# Altium PCB MB1936.PcbDoc (part 2 of 13) (continued)
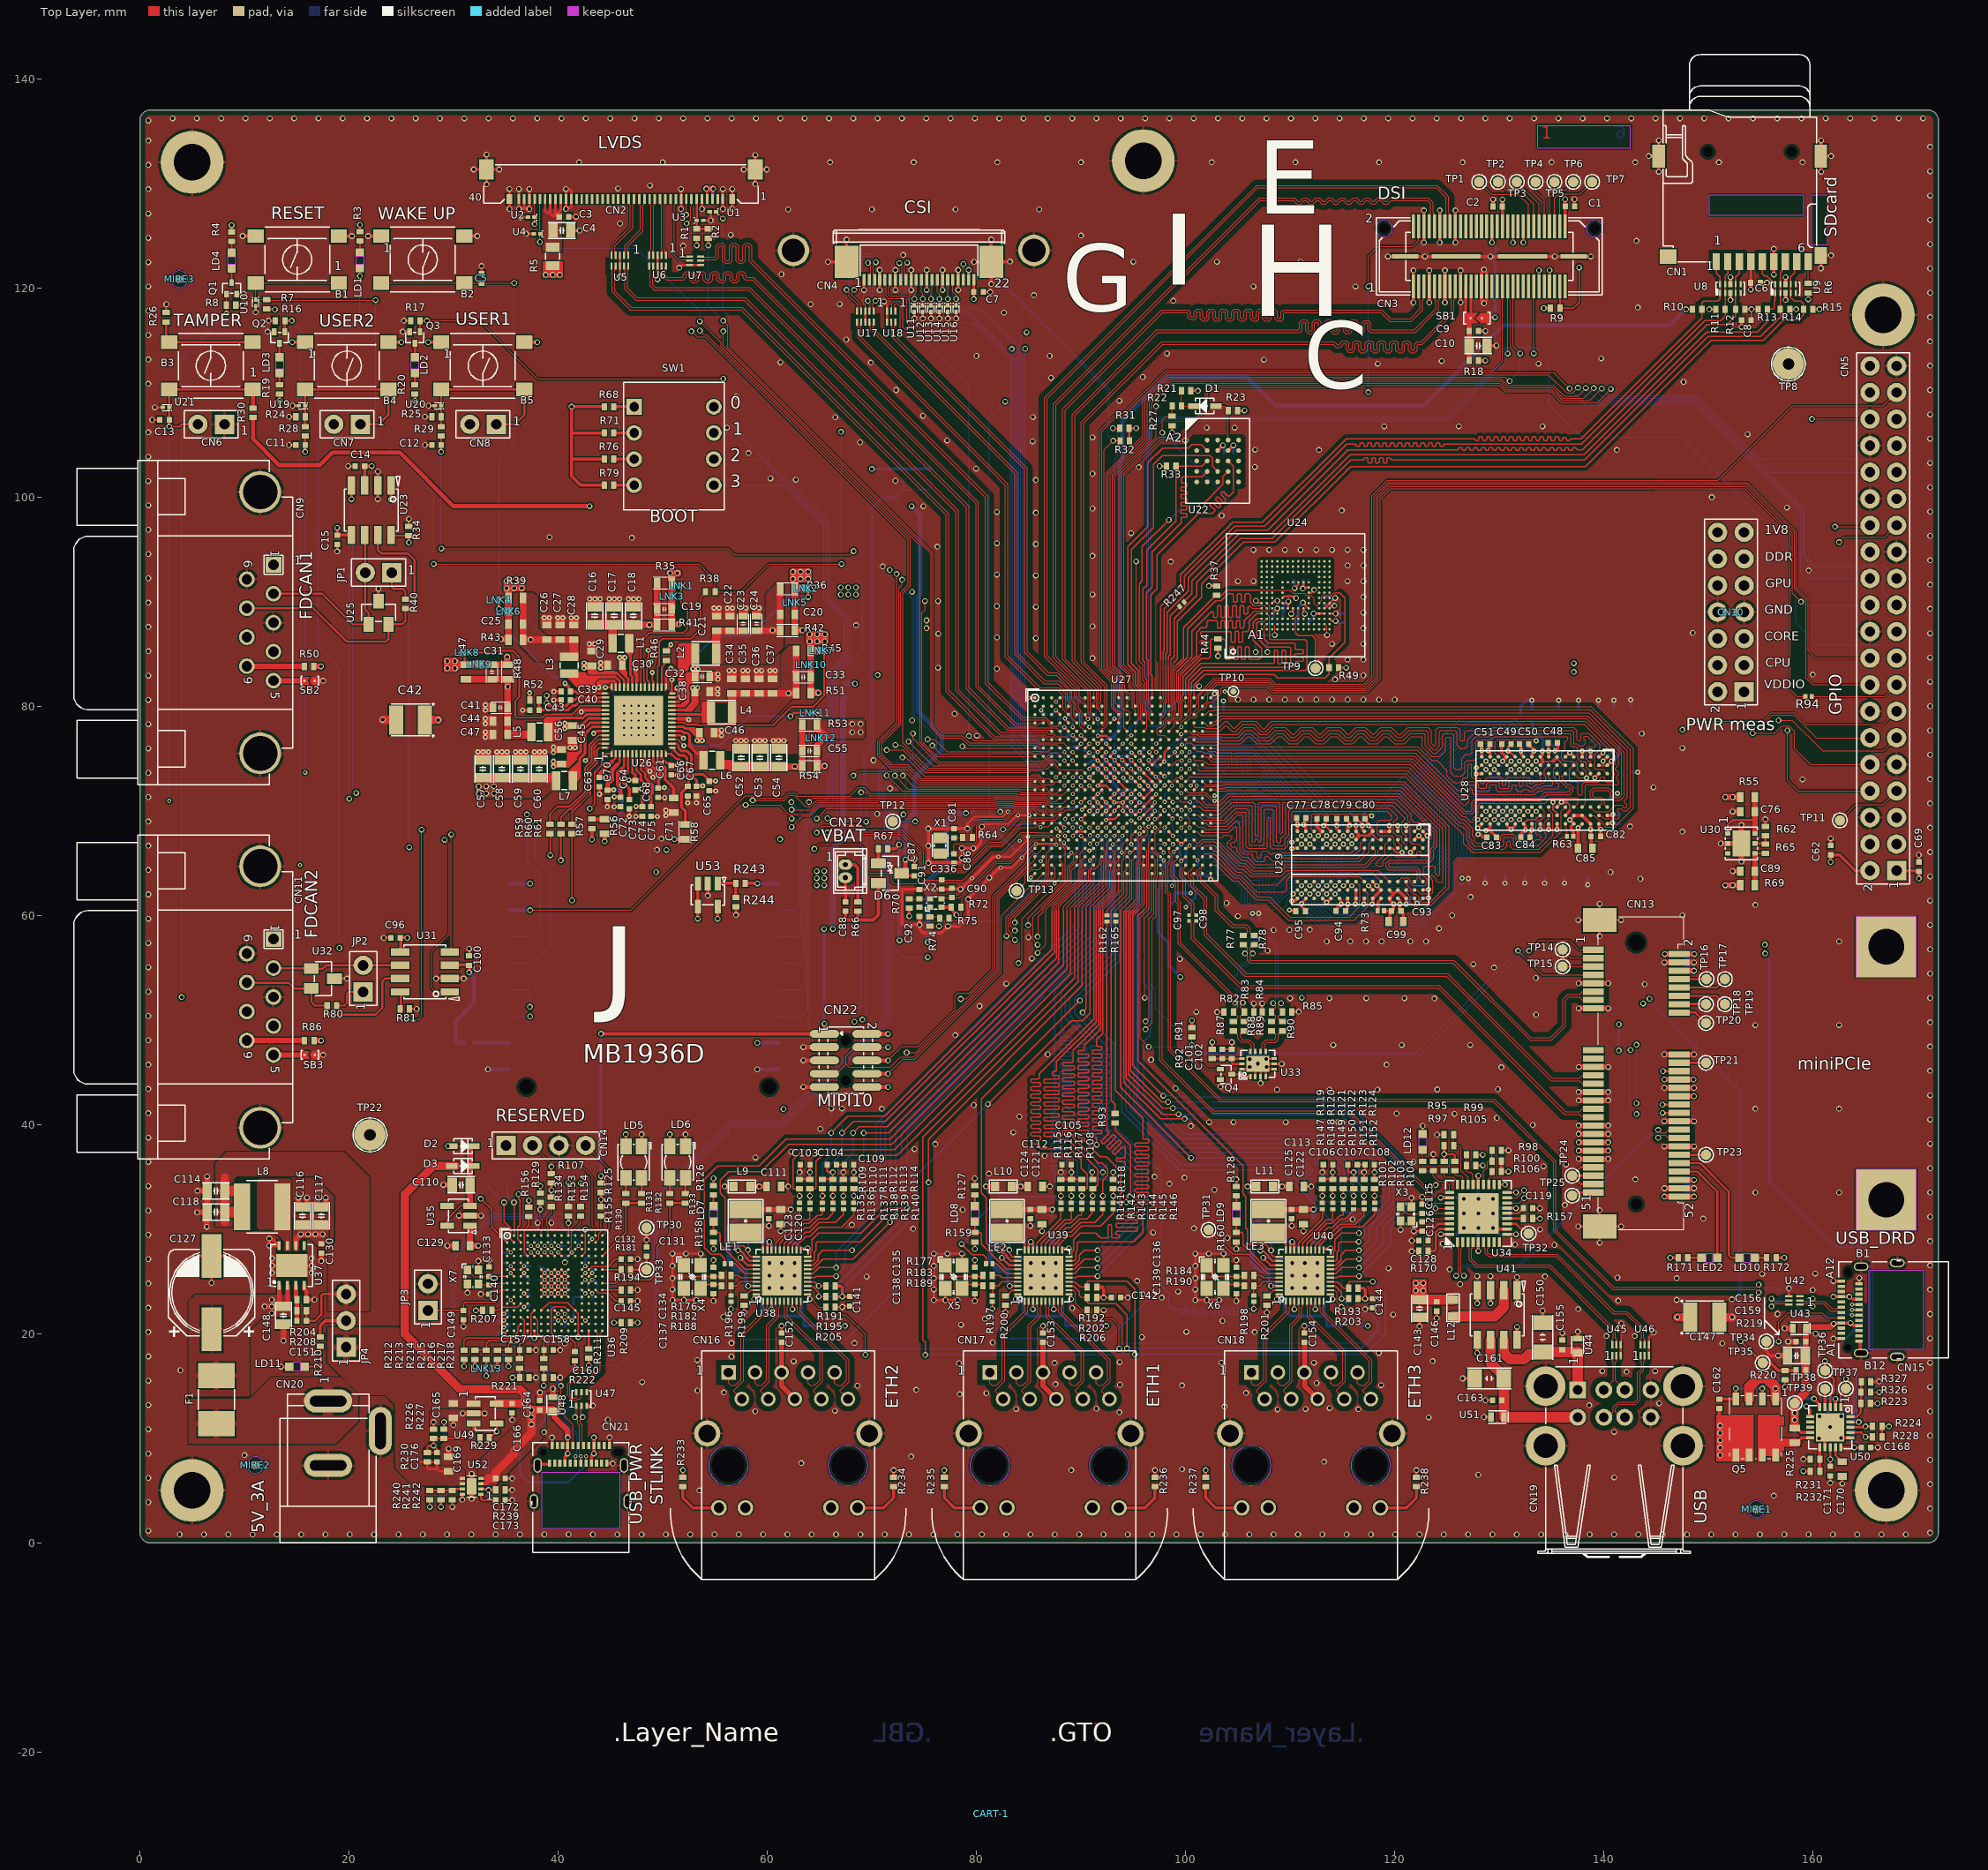
[diagram p0: Top Layer view]
## Components (designator, comment, footprint, x,y, rotation, side; value= is the part's Value field where it differs from the comment) (continued)
R200 "" R0402 82.775,23.15 r270 top value=2K49
R201 "" R0402 107.775,23.15 r270 top value=2K49
R202 "" R0402 91.045,23.45 r0 top value=1K5
R203 "" R0402 116.045,23.35 r0 top value=1K5
R204 "Resistor" R0402 15.475,23.25 r180 top value=20K
R205 "Resistor" R0402 66.045,22.55 r0 top value=10K
R206 "Resistor" R0402 91.045,22.25 r0 top value=10K
R207 "Resistor" R0402 33.225,22.225 r180 top value=33R
R208 "Resistor" R0402 15.475,22.2 r180 top value=110K
R209 "Resistor" R0402 46.475,21.05 r0 top value=33R
R210 "Resistor" R0402 17.25,19.25 r90 top value=270R
R211 "Resistor" R0402 42.925,18.105 r90 top value=0R
R212 "Resistor" R0402 31,17.975 r270 top value=0R
R213 "Resistor" R0402 32.05,17.975 r270 top value=10K
R214 "Resistor" R0402 33.125,17.975 r270 top value=10K
R215 "Resistor" R0402 34.2,17.975 r270 top value=10K
R216 "Resistor" R0402 35.25,17.975 r270 top value=5K1
R217 "Resistor" R0402 36.305,17.15 r270 top value=100K
R218 "Resistor" R0402 38.625,17.15 r270 top value=100K
R219 "Resistor" R0402 158.85,16.475 r0 top value=140K
R220 "Resistor" R0402 157.325,16.025 r90 top value=10K
R221 "Resistor" R0402 36.755,15.8 r0 top value=5K1
R222 "Resistor" R0402 39.075,15.8 r0 top value=5K1
R223 "Resistor" R0402 165.045,13.325 r0 top value=10K
R224 "Resistor" R0402 166.145,11.125 r0 top value=1K5
R225 "Resistor" R0603 158.25,10.275 r270 top value=22mR
R226 "Resistor" R0402 28.07,10.425 r90 top value=47K
R227 "Resistor" R0402 29.075,10.425 r270 top value=100K
R228 "Resistor" R0402 166.145,10.125 r0 top value=1K5
R229 "Resistor" R0402 32.975,10.05 r0 top value=100K
R230 "Resistor" R0402 27.475,8.175 r90 top value=47K
R231 "Resistor" R0402 160.2,8 r180 top value=24K
R232 "Resistor" R0402 160.2,6.845 r0 top value=100K
R233 "" R0402 51.925,5.825 r90 top value=510R
R234 "" R0402 72.075,5.825 r270 top value=510R
R235 "" R0402 76.925,5.825 r90 top value=510R
R236 "" R0402 97.075,5.825 r270 top value=510R
R237 "" R0402 101.925,5.825 r90 top value=510R
R238 "" R0402 122.075,5.825 r270 top value=510R
R239 "Resistor" R0402 34.475,5.05 r180 top value=100K
R240 "Resistor" R0402 27.72,4.55 r270 top value=1K3
R241 "Resistor" R0402 28.795,4.55 r270 top value=1K8
R242 "Resistor" R0402 29.87,4.55 r270 top value=3K9
R243 "Resistor" R0402 57.438,63.063 r180 top value=470K
R244 "Resistor" R0402 57,61.25 r90 top value=560K
R245 "Resistor" R0402 75.649,102.225 r90 bottom value=1K5
R246 "Resistor" R0402 73.109,102.225 r90 bottom value=1K5
R247 "Resistor" R0201_H0P23 99.65,89.75 r45 top value=22R
R248 "Resistor" R0402 111.225,87.95 r0 bottom value=10K
R249 "Resistor" R0603 67.45,81.45 r270 bottom value=0R
R250 "Resistor" R0402 89.875,79.85 r90 bottom value=200R
R251 "Resistor" R0402 88.825,79.85 r90 bottom value=200R
R252 "Resistor" R0402 132.025,78.85 r270 bottom value=10K
R253 "Resistor" R0402 140.9,77.625 r90 bottom value=56R
R254 "Resistor" R0402 139.95,77.625 r90 bottom value=56R
R255 "Resistor" R0402 139,77.625 r90 bottom value=56R
R256 "Resistor" R0402 138.05,77.625 r90 bottom value=56R
R257 "Resistor" R0402 137.1,77.625 r90 bottom value=56R
R258 "Resistor" R0402 136.15,77.625 r90 bottom value=56R
R259 "Resistor" R0402 135.2,77.625 r90 bottom value=56R
R260 "Resistor" R0402 97.6,77.625 r90 bottom value=1K5
R261 "Resistor" R0402 96.575,77.625 r90 bottom value=1K5
R262 "Resistor" R0201_H0P23 97.624,74.149 r0 bottom value=240R
R263 "Resistor" R0402 139.65,74.025 r0 bottom value=56R
R264 "Resistor" R0402 140.25,73.075 r0 bottom value=56R
R265 "Resistor" R0402 137.95,72.2 r0 bottom value=56R
R266 "Resistor" R0402 137.95,71.25 r0 bottom value=56R
R267 "" R0402 86.8,70.375 r180 bottom value=0R
R268 "Resistor" R0402 137.95,70.3 r0 bottom value=56R
R269 "" R0402 79.763,69.563 r270 bottom value=0R
R270 "Resistor" R0402 135.75,69.275 r90 bottom value=100R
R271 "Resistor" R0402 137.95,69.35 r0 bottom value=56R
R272 "Resistor" R0402 84.1,68.25 r270 bottom value=10K
R273 "Resistor" R0402 138,67.375 r0 bottom value=56R
R274 "Resistor" R0402 96.9,66.825 r180 bottom value=200R
R275 "Resistor" R0402 129.12,66.08 r270 bottom value=56R
R276 "Resistor" R0402 136.725,66.075 r270 bottom value=56R
R277 "Resistor" R0402 135.775,66.075 r270 bottom value=56R
R278 "Resistor" R0402 134.825,66.075 r270 bottom value=56R
R279 "Resistor" R0402 133.875,66.075 r270 bottom value=56R
R280 "Resistor" R0402 132.925,66.075 r270 bottom value=56R
R281 "Resistor" R0402 131.975,66.075 r270 bottom value=56R
R282 "Resistor" R0402 131.025,66.075 r270 bottom value=56R
R283 "Resistor" R0402 130.075,66.075 r270 bottom value=56R
R284 "Resistor" R0402 128.175,66.075 r270 bottom value=56R
R285 "Resistor" R0402 101.2,64.25 r90 bottom value=200R
R286 "" R0402 97.725,64.025 r90 bottom value=0R
R287 "Resistor" R0402 98.5,62.075 r0 bottom value=200R
R288 "Resistor" R0402 105.625,53.625 r270 bottom value=0R
R289 "" R0402 31.5,47.813 r0 bottom value=0R
R290 "Resistor" R0402 144.25,42.025 r180 bottom value=0R
R291 "Resistor" R0402 144.25,41 r180 bottom value=0R
R292 "" R0402 67.15,40.4 r270 bottom value=4K7
R293 "" R0402 66.125,40.4 r270 bottom value=4K7
R294 "" R0402 92.1,34.3 r270 bottom value=4K7
R295 "" R0402 91.125,34.3 r270 bottom value=4K7
R296 "" R0402 90.15,34.3 r270 bottom value=4K7
R297 "" R0402 118.075,34.3 r270 bottom value=4K7
R298 "" R0402 114.075,34.3 r270 bottom value=4K7
R299 "" R0402 113.075,34.3 r270 bottom value=4K7
R300 "" R0402 93.075,34.3 r270 bottom value=4K7
R301 "" R0402 89.075,34.3 r270 bottom value=4K7
R302 "" R0402 88.075,34.3 r270 bottom value=4K7
R303 "" R0402 68.275,34.3 r270 bottom value=4K7
R304 "" R0402 64.075,34.3 r270 bottom value=4K7
R305 "" R0402 63.075,34.3 r270 bottom value=4K7
R306 "" R0402 116.075,32.05 r90 bottom value=4K7
R307 "" R0402 115.075,32.05 r90 bottom value=4K7
R308 "" R0603 109.675,31.875 r0 bottom value=0R
R309 "" R0603 84.675,31.875 r0 bottom value=0R
R310 "" R0603 59.675,31.875 r0 bottom value=0R
R311 "" R0603 112.25,30.5 r90 bottom value=0R
R312 "" R0603 87.25,30.5 r90 bottom value=0R
R313 "" R0603 62.25,30.5 r90 bottom value=0R
R314 "" R0402 108.15,29.175 r90 bottom value=1K5
R315 "" R0402 107.125,29.175 r270 bottom value=4K7
R316 "" R0402 83.15,29.175 r90 bottom value=1K5
R317 "" R0402 82.125,29.175 r270 bottom value=4K7
R318 "" R0402 58.15,29.175 r90 bottom value=1K5
R319 "" R0402 57.125,29.175 r270 bottom value=4K7
R320 "" R0402 108.6,27.2 r180 bottom value=4K7
R321 "" R0402 83.6,27.2 r180 bottom value=4K7
R322 "" R0402 58.6,27.2 r180 bottom value=4K7
R323 "Resistor" R0402 129.16,24.225 r270 bottom value=10K
R324 "Resistor" R0402 127.89,24.225 r270 bottom value=10K
R325 "Resistor" R0402 159,13.925 r0 bottom value=1M
R326 "Resistor" R0402 165.05,14.4 r180 top value=0R
R327 "Resistor" R0402 165.075,15.4 r180 top value=100K
R328 "Resistor" R0402 104.575,53.625 r270 bottom value=0R
SB1 "SB_ON" SOLDER-BRIDGE_R0603-0R 127.85,117.1 r180 top
SB2 "SB_ON" SOLDER-BRIDGE_R0402-0R 16.262,82.425 r180 top
SB3 "SB_ON" SOLDER-BRIDGE_R0402-0R 16.275,46.65 r180 top
SW1 "76SB04ST" SWI_GRAYHILL-INC_76SB04ST 51.075,104.875 r270 top
TP1 "Test Point" TP_SMD_1MM 128.075,130.125 r90 top
TP2 "Test Point" TP_SMD_1MM 129.875,130.125 r90 top
TP3 "Test Point" TP_SMD_1MM 131.675,130.125 r90 top
TP4 "Test Point" TP_SMD_1MM 133.475,130.125 r90 top
TP5 "Test Point" TP_SMD_1MM 135.275,130.125 r90 top
TP6 "Test Point" TP_SMD_1MM 137.075,130.125 r90 top
TP7 "Test Point" TP_SMD_1MM 138.875,130.125 r90 top
TP8 "Test_pin_conn_black" TP_PTH-1P02MM_TEST-TERMINAL_RS_101-2391_BLACK 157.65,112.725 r90 top value=TP
TP9 "Test Point" TP_SMD_1MM 112.43,83.629 r90 top
TP10 "Test Point" TP_SMD_0-6MM 104.575,81.4 r90 top
TP11 "Test Point" TP_SMD_1MM 162.575,69.075 r90 top
TP12 "Test Point" TP_SMD_1MM 72,68.975 r90 top
TP13 "Test Point" TP_SMD_1MM 83.838,62.335 r90 top
TP14 "Test Point" TP_SMD_1MM 136.05,56.725 r90 top
TP15 "Test Point" TP_SMD_1MM 136.05,55.1 r90 top
TP16 "Test Point" TP_SMD_1MM 149.818,53.9 r90 top
TP17 "Test Point" TP_SMD_1MM 151.575,53.9 r90 top
TP18 "Test Point" TP_SMD_1MM 149.775,51.5 r90 top
TP19 "Test Point" TP_SMD_1MM 151.575,51.5 r90 top
TP20 "Test Point" TP_SMD_1MM 149.775,49.7 r90 top
TP21 "Test Point" TP_SMD_1MM 149.775,45.9 r90 top
TP22 "Test_pin_conn_black" TP_PTH-1P02MM_TEST-TERMINAL_RS_101-2391_BLACK 22,39 r90 top value=TP
TP23 "Test Point" TP_SMD_1MM 149.775,37.1 r90 top
TP24 "Test Point" TP_SMD_1MM 136.975,35.1 r90 top
TP25 "Test Point" TP_SMD_1MM 136.975,33.2 r90 top
TP26 "Test Point" TP_SMD_1MM 33.25,34.125 r90 bottom
TP27 "Test Point" TP_SMD_1MM 37,34.125 r90 bottom
TP28 "Test Point" TP_SMD_1MM 31.375,34.125 r90 bottom
TP29 "Test Point" TP_SMD_1MM 35.125,34.125 r90 bottom
TP30 "Test Point" TP_SMD_1MM 48.45,30.125 r90 top
TP31 "Test Point" TP_SMD_1MM 102.2,29.925 r270 top
TP32 "Test Point" TP_SMD_1MM 132.811,29.575 r90 top
TP33 "Test Point" TP_SMD_1MM 48.45,26.125 r270 top
TP34 "Test Point" TP_SMD_1MM 155.546,19.25 r270 top
TP35 "Test Point" TP_SMD_1MM 155.193,17.2 r90 top
TP36 "Test Point" TP_SMD_1MM 161.15,16.475 r0 top
TP37 "Test Point" TP_SMD_1MM 163.15,14.75 r0 top
TP38 "Test Point" TP_SMD_1MM 161.15,14.704 r0 top
TP39 "Test Point" TP_SMD_1MM 158.25,13.345 r270 top
U1 "ESD-TRANSIL" ESD_ST0201 54.8,127.275 r180 top value=ESDALC6V1-1U2
U2 "ESD-TRANSIL" ESD_ST0201 37.425,126.75 r180 top value=ESDALC6V1-1U2
U3 "ESD-TRANSIL" ESD_ST0201 53.563,126.45 r0 top value=ESDALC6V1-1U2
U4 "ESD-TRANSIL" ESD_ST0201 37.975,125.175 r180 top value=ESDALC6V1-1U2
U5 "ECMF4-40A100N10" ESD_UQFN-10L_2P25X1P4_P040 45.9,122.6 r180 top
U6 "ECMF4-40A100N10" ESD_UQFN-10L_2P25X1P4_P040 49.5,122.6 r180 top
U7 "ECMF2-40A100N6" ESD_UQFN-6L_1P45X1P4_P040 53.1,122.6 r270 top
U8 "HSP051-4M10" ESD_UQFN-10L_2P5X1_P050 152.1,119.93 r0 top
U9 "HSP051-4M10" ESD_UQFN-10L_2P5X1_P050 157.375,119.93 r0 top
U10 "ESD-TRANSIL" ESD_ST0201 11.073,118.563 r270 top value=ESDALC6V1-1U2
U11 "ESD-TRANSIL" ESD_ST0201 74.06,118 r270 top value=ESDALC6V1-1U2
U12 "ESD-TRANSIL" ESD_ST0201 74.86,118 r270 top value=ESDALC6V1-1U2
U13 "ESD-TRANSIL" ESD_ST0201 75.66,118 r270 top value=ESDALC6V1-1U2
U14 "ESD-TRANSIL" ESD_ST0201 76.46,118 r270 top value=ESDALC6V1-1U2
U15 "ESD-TRANSIL" ESD_ST0201 77.26,118 r270 top value=ESDALC6V1-1U2
U16 "ESD-TRANSIL" ESD_ST0201 78.06,118 r270 top value=ESDALC6V1-1U2
U17 "ECMF4-40A100N10" ESD_UQFN-10L_2P25X1P4_P040 69.375,117.25 r180 top
U18 "ECMF2-40A100N6" ESD_UQFN-6L_1P45X1P4_P040 71.85,117.25 r180 top
U19 "ESD-TRANSIL" ESD_ST0201 15.513,108.725 r180 top value=ESDALC6V1-1U2
U20 "ESD-TRANSIL" ESD_ST0201 28.513,108.725 r180 top value=ESDALC6V1-1U2
U21 "ESD-TRANSIL" ESD_ST0201 2.5,108.563 r180 top value=ESDALC6V1-1U2
U22 "MX25L51245G" ICC_BGA24_5X5-BALL-ARRAY_6X8_P1 103.066,103.441 r0 top
U23 "MCP2562FD" ICC_SO8_5X4_P127 22.129,98.736 r180 top value=MCP2562FDT-H/SN
U24 "eMMC_THGBMTG5D1LBAIL" ICC_P-WFBGA153_13X11P5_P050 110.525,90.6 r0 top locked value=THGBMTG5D1LBAIL
U25 "ESD-TRANSIL-DUAL-BIDIR" ESD_SOT23 22.819,88.921 r0 top value=ESDCAN24-2BLY
U26 "STPMIC2" ICC_QFN56-EPAD_6P5X6P5_P040 47.7,78.627 r90 top value=STPMIC25A
U27 "STM32MP257FAI3" ICC_LFBGA436_18X18_P080_H1P70_STM32MP257_CODE-B0D1 94,72.4 r0 top locked
U28 "MT40A1G16TB-062E IT:F" ICC_FBGA96_TB_7P5X13_P080 134.325,71.95 r270 top locked
U29 "MT40A1G16TB-062E IT:F" ICC_FBGA96_TB_7P5X13_P080 116.7,64.825 r270 top locked
U30 "ST1L05BPUR" ICC_DFN6-EPAD_3X3_P095 153.155,66.875 r270 top
U31 "MCP2562FD" ICC_SO8_5X4_P127 27.265,54.585 r90 top value=MCP2562FDT-H/SN
U32 "ESD-TRANSIL-DUAL-BIDIR" ESD_SOT23 17.505,53.95 r270 top value=ESDCAN24-2BLY
U33 "DSC557-0344FI0-T" ICC_QFN14-EPAD_3P2X2P5_P050 106.925,45.79 r0 top
U34 "USB2514B-AEZC" ICC_QFN36-EPAD_6X6_P050 128,31.5 r0 top
U35 "ST730M33R" ICC_SOT23-5L_H1P45 30.47,31.275 r90 top
U36 "STLINK-V3EC" ICC_UFBGA201_176+25_10X10_P065 39.675,24.825 r0 top value=STM32F723IEK6
U37 "ST1S40IPUR" ICC_VFQFPN8-EPAD_4X4_P080 14.525,26.5 r0 top
U38 "RTL8211F-CG" ICC_QFN40-EPAD_5X5_P040 61.4,25.55 r90 top
U39 "RTL8211F-CG" ICC_QFN40-EPAD_5X5_P040 86.4,25.55 r90 top
U40 "RTL8211F-CG" ICC_QFN40-EPAD_5X5_P040 111.4,25.55 r90 top
U41 "STMPS2252MTR" ICC_SO8_5X4_P127 129.795,21.775 r180 top
U42 "ECMF2-40A100N6" ESD_UQFN-6L_1P45X1P4_P040 158.225,23.175 r90 top
U43 "ESD-TRANSIL" ESD_QFN1610_2N_1K_2A 158.7,20.5 r180 top locked value=ESDA25P35-1U1M
U44 "ESD-TRANSIL" ESD_QFN1610_2N_1K_2A 137.5,18.9 r90 top value=ESDA7P120-1U1M
U45 "ECMF2-40A100N6" ESD_UQFN-6L_1P45X1P4_P040 141.2,18.425 r0 top
U46 "ECMF2-40A100N6" ESD_UQFN-6L_1P45X1P4_P040 143.9,18.425 r0 top
U47 "​" ESD_QFN-6L_1P7X1P5_P050 42.225,13.764 r0 top value=ECMF02-2AMX6
U48 "ESD-TRANSIL" ESD_QFN1610_2N_1K_2A 39.5,13.3 r90 top value=ESDA25P35-1U1M
U49 "STMPS2151STR" MOS_SOT23-5L 33.025,12.375 r270 top
U50 "TCPP03-M20" ICC_QFN20-EPAD_4X4_P050 161.65,11.05 r270 top
U51 "ESD-TRANSIL" ESD_QFN1610_2N_1K_2A 129.82,12.025 r180 top value=ESDA7P120-1U1M
U52 "TPS259535DSG" ICC_WSON8-EPAD_2X2_P050 31.725,5.4 r180 top
U53 "TSV631AILT" AOP_SOT23-5L_H1P45 54.312,61.938 r180 top
X1 "XTAL_2_PINS" CRY_NX2012SA_2P 76.525,66.65 r270 top value=32.768KHz
X2 "OSCILLATOR_4_PINS" CRY_NZ1612SH_4P 76.098,61.176 r0 top value=40MHz
X3 "XTAL_4_PINS" CRY_NX2016SA_4P 121.08,31.45 r90 top value=24MHz
X4 "XTAL_4_PINS" CRY_NX3225HA_4P 52.825,25.425 r270 top value=25MHz
X5 "XTAL_4_PINS" CRY_NX3225HA_4P 77.825,25.425 r270 top value=25MHz
X6 "XTAL_4_PINS" CRY_NX3225HA_4P 102.825,25.425 r270 top value=25MHz
X7 "XTAL_4_PINS" CRY_NX2016SA_4P 31.85,25.425 r270 top value=24MHz

## Footprints (in the part's own frame and the unit in brackets; to place one, negate y for a bottom-side part, rotate by r counter-clockwise, add the part's x,y. Pads: shape width x height; smd on the part's side, far side on the other; paste and mask are expansions set on the pad)
AOP_SOT23-5L_H1P45 [mm]
  rect 0.6x1.3 smd mask+0.05: 1(-0.95,-1.1) 2(0,-1.1) 3(0.95,-1.1) 4(0.95,1.1) 5(-0.95,1.1)
  silkscreen extent -1.75,-1.68 1.6,0.97, body extent -1.52,-1.25 1.52,1.25, height 1.45
C0201_H0P3 [mm] "MCD-00699"
  rect 0.4x0.5 smd mask+0.05: 1(-0.3,0) 2(0.3,0)
  body extent -0.32,-0.17 0.32,0.17, height 0.33
C0201_H0P5 [mm] "MCD-01534"
  rect 0.4x0.5 smd mask+0.05: 1(-0.3,0) 2(0.3,0)
  body extent -0.35,-0.2 0.35,0.2, height 0.55
C0201_MURATA_GRM033_H0P3 [mm] "GRM033R60J105ME11"
  rect 0.35x0.35 smd mask+0.05: 1(-0.275,0) 2(0.275,0)
  body extent -0.32,-0.17 0.32,0.17, height 0.33
C0402 [mm]
  rect 0.51x0.56 smd mask+0.05: 1(-0.45,0) 2(0.45,0)
  body extent -0.5,-0.3 0.5,0.3, height 0.4
C0603 [mm]
  rect 0.64x0.89 smd mask+0.05: 1(-0.7,0) 2(0.7,0)
  silkscreen extent -0.9,-0.55 1.05,0.55, body extent -0.9,-0.5 0.9,0.5, height 1.4
C0805 [mm]
  rect 0.9x1.4 smd mask+0.05: 1(-0.85,0) 2(0.85,0)
  silkscreen extent -1.3,-0.77 1.3,0.77, body extent -1.1,-0.7 1.1,0.7, height 1.35
C0805_H0P85 [mm] "MCD-01525"
  rect 0.9x1.4 smd mask+0.05: 1(-0.85,0) 2(0.85,0)
  silkscreen extent -1.3,-0.77 1.3,0.77, body extent -1.1,-0.73 1.1,0.73, height 0.95
C1206_H1P6 [mm]
  rect 1.4x1.78 smd mask+0.05: 1(-1.4,0) 2(1.4,0)
  silkscreen extent -2.12,-0.97 2.15,0.97, body extent -1.7,-0.9 1.7,0.9, height 1.8
CON_DB9-MALE_TYCO_2301843-2 [mm] "MCD-00127"
  rect 1.5x1.5 / inner round 1.5 / far side rect 1.5x1.5 hole 1 mask+0.05: 1(-5.54,8.77)
  round 1.5 hole 1 mask+0.05: 2(-2.77,8.77) 3(0,8.77) 4(2.77,8.77) 5(5.54,8.77) 6(-4.155,6.23) 7(-1.385,6.23) 8(1.385,6.23) 9(4.155,6.23)
  round 4 hole 3.3 mask+0.05: MT1(-12.5,7.5) MT2(12.5,7.5)
  silkscreen extent -15.5,-10.3 15.5,10.6, body extent -15.5,-10.3 15.5,10.6, height 13.8
CON_DC-POWER-SOCKET_CLIFF_FC68149_DC10B [mm]
  oval 2.2x4.6 hole 1 slot 3.5 at 90 deg mask+0.05: 1(-13.55,0) 3(-7.4,0)
  oval 4.6x2.2 hole 1 slot 3.5 at 0 deg mask+0.05: 2(-10.7,5)
  silkscreen extent -14.2,-4.6 0,4.6, body extent -14.3,-4.6 0.2,5.27, height 11
CON_DUAL-USB-TYPE-A_CONEXCON_5600-3081 [mm]
  round 1.6 hole 0.92: B1(-3.5,13.01) B2(-1,13.01) B3(1,13.01) B4(3.5,13.01) T2(-1,15.63) T3(1,15.63) T4(3.5,15.63)
  round 3.8 hole 2.33: CH1(6.57,10.3) CH2(-6.57,10.3) CH3(-6.57,15.98) CH4(6.57,15.98)
  rect 1.6x1.6 hole 0.92: T1(-3.5,15.63)
  silkscreen extent -7.3,-0.4 7.3,17.85, body extent -7.83,-0.6 7.87,17.85, height 16.2
CON_I-PEX_20455-040E-76 [mm] "MCD-03562"
  rect 0.25x0.9 smd mask+0.05: 1(-9.75,0.5) 2(-9.25,0.5) 3(-8.75,0.5) 4(-8.25,0.5) 5(-7.75,0.5) 6(-7.25,0.5) 7(-6.75,0.5) 8(-6.25,0.5) 9(-5.75,0.5) 10(-5.25,0.5) 11(-4.75,0.5) 12(-4.25,0.5) 13(-3.75,0.5) 14(-3.25,0.5) 15(-2.75,0.5) 16(-2.25,0.5) 17(-1.75,0.5) 18(-1.25,0.5) 19(-0.75,0.5) 20(-0.25,0.5) 21(0.25,0.5) 22(0.75,0.5) 23(1.25,0.5) 24(1.75,0.5) 25(2.25,0.5) 26(2.75,0.5) 27(3.25,0.5) 28(3.75,0.5) 29(4.25,0.5) 30(4.75,0.5) 31(5.25,0.5) 32(5.75,0.5) 33(6.25,0.5) 34(6.75,0.5) 35(7.25,0.5) 36(7.75,0.5) 37(8.25,0.5) 38(8.75,0.5) 39(9.25,0.5) 40(9.75,0.5)
  rect 1.4x1.9 smd mask+0.05: 41(-12.85,-2.32) 44(12.85,-2.32)
  rect 0.55x0.9 smd mask+0.05: 42(-10.65,0.5) 43(10.65,0.5)
  silkscreen extent -13.13,-2.78 13.13,0.92, body extent -13.13,-3.05 13.12,0.9, height 1.03
CON_MICROSD_ATOM_MR01A-01211 [mm]
  rect 0.7x1.6 smd paste+0 mask+0.05: 1(2.25,14.5) 2(1.15,14.5) 3(0.05,14.5) 4(-1.05,14.5) 5(-2.15,14.5) 6(-3.25,14.5) 7(-4.35,14.5) 8(-5.45,14.5) 9(-6.55,14.5)
  rect 1.2x1.6 smd paste+0 mask+0.05: 10(-7.75,13.9)
  rect 1.2x2.2 smd paste+0 mask+0.05: 11(-7.75,4.4) 12(7.75,4.4)
  rect 1.6x1.4 smd paste+0 mask+0.05: 13(6.85,14)
  round 0.5 hole 1 unplated paste-2539.97 mask+0.05: NPTH1(-4.95,4) NPTH2(3.05,4)
  Top Layer pour cut-out: -8.35,8.1 -8.35,12.9 -6.9,12.9 -6.9,8.1
  Top Layer pour cut-out: -6.1,10.1 2.9,10.1 2.9,8.1 -6.1,8.1
  Top Layer keep-out region: -8.35,8.1 -8.35,12.9 -6.9,12.9 -6.9,8.1
  Top Layer keep-out region: -6.1,10.1 2.9,10.1 2.9,8.1 -6.1,8.1
  silkscreen extent -7.35,-5.3 7.35,14.5, body extent -8.05,0 8.05,15, height 1.9
CON_MOLEX_53047-0210 [mm]
  oval 1x1.3 hole 0.5 mask+0.05: 1(-0.625,0) 2(0.625,0)
  silkscreen extent -2.12,-1.15 2.13,2.05, body extent -2.13,-1.15 2.13,2.05, height 4.2
CON_RJ45_YD_48F-01GYDXNL_LED-P [mm]
  rect 1.4x1.4 hole 0.9 mask+0.05: 1(-5.715,16.29)
  round 1.4 hole 0.9 mask+0.05: 2(-4.445,13.75) 3(-3.175,16.29) 4(-1.905,13.75) 5(-0.635,16.29) 6(0.635,13.75) 7(1.905,16.29) 8(3.175,13.75) 9(4.445,16.29) 10(5.715,13.75)
  round 1.5 hole 1 mask+0.05: 11(-6.63,3.34) 12(-4.09,3.34) 13(4.09,3.34) 14(6.63,3.34)
  round 2.5 hole 1.7 mask+0.05: 15(7.75,10.45) 16(-7.75,10.45)
  round 1 hole 3.2 unplated mask+0.1: 17(-5.715,7.4) 18(5.715,7.4)
  Multi-Layer keep-out circle w0.01: c5.715,7.4 r1.9
  Multi-Layer keep-out circle w0.01: c-5.715,7.4 r1.9
  silkscreen extent -11.26,-3.5 11.26,18.34, body extent -11.4,-3.5 11.39,18.34, height 17
CON_SAMTEC_FTSH-105-01-L-DV-K [mm]
  oval 0.74x2.79 smd mask+0.05: 1(-2.54,-2.035) 2(-2.54,2.035) 3(-1.27,-2.035) 4(-1.27,2.035) 5(0,-2.035) 6(0,2.035) 7(1.27,-2.035) 8(1.27,2.035) 9(2.54,-2.035) 10(2.54,2.035)
  round 0 hole 1 unplated paste-2539.97 mask+0.05: NPTH1(-1.905,0) NPTH2(1.905,0)
  silkscreen extent -3.18,-2.54 3.18,2.54, body extent -3.18,-2.92 3.18,2.92, height 6.12
CON_SAMTEC_QSH-030-01-F-D-A [mm]
  rect 0.3x2.27 smd mask+0.05: 1(7.25,2.87) 2(7.25,-2.87) 3(6.75,2.87) 4(6.75,-2.87) 5(6.25,2.87) 6(6.25,-2.87) 7(5.75,2.87) 8(5.75,-2.87) 9(5.25,2.87) 10(5.25,-2.87) 11(4.75,2.87) 12(4.75,-2.87) 13(4.25,2.87) 14(4.25,-2.87) 15(3.75,2.87) 16(3.75,-2.87) 17(3.25,2.87) 18(3.25,-2.87) 19(2.75,2.87) 20(2.75,-2.87) 21(2.25,2.87) 22(2.25,-2.87) 23(1.75,2.87) 24(1.75,-2.87) 25(1.25,2.87) 26(1.25,-2.87) 27(0.75,2.87) 28(0.75,-2.87) 29(0.25,2.87) 30(0.25,-2.87) 31(-0.25,2.87) 32(-0.25,-2.87) 33(-0.75,2.87) 34(-0.75,-2.87) 35(-1.25,2.87) 36(-1.25,-2.87) 37(-1.75,2.87) 38(-1.75,-2.87) 39(-2.25,2.87) 40(-2.25,-2.87) 41(-2.75,2.87) 42(-2.75,-2.87) 43(-3.25,2.87) 44(-3.25,-2.87) 45(-3.75,2.87) 46(-3.75,-2.87) 47(-4.25,2.87) 48(-4.25,-2.87) 49(-4.75,2.87) 50(-4.75,-2.87) 51(-5.25,2.87) 52(-5.25,-2.87) 53(-5.75,2.87) 54(-5.75,-2.87) 55(-6.25,2.87) 56(-6.25,-2.87) 57(-6.75,2.87) 58(-6.75,-2.87) 59(-7.25,2.87) 60(-7.25,-2.87)
  rect 2.54x0.43 smd mask+0.05: 61(8.063,0) 64(-8.063,0)
  rect 4.7x0.43 smd mask+0.05: 62(3.175,0) 63(-3.175,0)
  round 0.5 hole 1.05 unplated mask+0.1: 65(-10.065,-2.67) 66(10.065,-2.67)
  Multi-Layer keep-out circle w0.01: c10.065,-2.67 r0.801
  Multi-Layer keep-out circle w0.01: c-10.065,-2.67 r0.801
  silkscreen extent -10.8,-3.7 10.8,3.7, body extent -10.8,-3.75 10.8,3.75, height 3.26
CON_SAMTEC_TSW-102-07-G-S [mm]
  rect 1.85x1.85 / inner round 1.85 / far side rect 1.85x1.85 hole 1 mask+0.05: 1(-1.27,0)
  round 1.85 hole 1 mask+0.05: 2(1.27,0)
  silkscreen extent -2.58,-1.3 2.58,1.3, body extent -2.67,-1.3 2.58,1.3, height 8.38
CON_SAMTEC_TSW-103-07-F-S [mm]
  rect 1.85x1.85 / inner round 1.85 / far side rect 1.85x1.85 hole 1 mask+0.05: 1(-2.54,0)
  round 1.85 hole 1 mask+0.05: 2(0,0) 3(2.54,0)
  silkscreen extent -3.85,-1.3 3.85,1.3, body extent -3.94,-1.37 3.91,1.37, height 8.38
CON_SAMTEC_TSW-104-07-G-S [mm]
  rect 1.85x1.85 / inner round 1.85 / far side rect 1.85x1.85 hole 1 mask+0.05: 1(-3.81,0)
  round 1.85 hole 1 mask+0.05: 2(-1.27,0) 3(1.27,0) 4(3.81,0)
  silkscreen extent -5.12,-1.3 5.12,1.3, body extent -5.21,-1.37 5.18,1.37, height 8.38
CON_SAMTEC_TSW-107-07-X-D [mm] "MCD-02123"
  rect 1.85x1.85 / inner round 1.85 / far side rect 1.85x1.85 hole 1 mask+0.05: 1(-7.62,-1.27)
  round 1.85 hole 1 mask+0.05: 2(-7.62,1.27) 3(-5.08,-1.27) 4(-5.08,1.27) 5(-2.54,-1.27) 6(-2.54,1.27) 7(0,-1.27) 8(0,1.27) 9(2.54,-1.27) 10(2.54,1.27) 11(5.08,-1.27) 12(5.08,1.27) 13(7.62,-1.27) 14(7.62,1.27)
  silkscreen extent -8.89,-2.54 8.89,2.54, body extent -8.89,-2.55 8.89,2.54, height 8.38
CON_SAMTEC_TSW-120-07-G-D [mm]
  rect 1.85x1.85 / inner round 1.85 / far side rect 1.85x1.85 hole 1 mask+0.05: 1(-24.13,-1.27)
  round 1.85 hole 1 mask+0.05: 2(-24.13,1.27) 3(-21.59,-1.27) 4(-21.59,1.27) 5(-19.05,-1.27) 6(-19.05,1.27) 7(-16.51,-1.27) 8(-16.51,1.27) 9(-13.97,-1.27) 10(-13.97,1.27) 11(-11.43,-1.27) 12(-11.43,1.27) 13(-8.89,-1.27) 14(-8.89,1.27) 15(-6.35,-1.27) 16(-6.35,1.27) 17(-3.81,-1.27) 18(-3.81,1.27) 19(-1.27,-1.27) 20(-1.27,1.27) 21(1.27,-1.27) 22(1.27,1.27) 23(3.81,-1.27) 24(3.81,1.27) 25(6.35,-1.27) 26(6.35,1.27) 27(8.89,-1.27) 28(8.89,1.27) 29(11.43,-1.27) 30(11.43,1.27) 31(13.97,-1.27) 32(13.97,1.27) 33(16.51,-1.27) 34(16.51,1.27) 35(19.05,-1.27) 36(19.05,1.27) 37(21.59,-1.27) 38(21.59,1.27) 39(24.13,-1.27) 40(24.13,1.27)
  silkscreen extent -25.4,-2.54 25.4,2.54, body extent -25.4,-2.55 25.4,2.54, height 8.38
CON_TE-CONNECTIVITY_2-1734592-2_INV [mm] "MCD-03600"
  rect 0.3x1.1 smd mask+0.05: 1(5.25,1.7) 2(4.75,1.7) 3(4.25,1.7) 4(3.75,1.7) 5(3.25,1.7) 6(2.75,1.7) 7(2.25,1.7) 8(1.75,1.7) 9(1.25,1.7) 10(0.75,1.7) 11(0.25,1.7) 12(-0.25,1.7) 13(-0.75,1.7) 14(-1.25,1.7) 15(-1.75,1.7) 16(-2.25,1.7) 17(-2.75,1.7) 18(-3.25,1.7) 19(-3.75,1.7) 20(-4.25,1.7) 21(-4.75,1.7) 22(-5.25,1.7)
  rect 2.3x3.1 smd mask+0.05: S1(6.92,0) S2(-6.92,0)
  silkscreen extent -8.22,-3.06 8.21,1.35, body extent -8.22,-3.06 8.21,2.05, height 2.05
CON_TE-CONNECTIVITY_2041119-1_HALF-CARD [mm] "MCD-02227"
  rect 0.6x2 smd mask+0.05: 1(0.7,-4.1) 2(1.1,4.1) 3(1.5,-4.1) 4(1.9,4.1) 5(2.3,-4.1) 6(2.7,4.1) 7(3.1,-4.1) 8(3.5,4.1) 9(3.9,-4.1) 10(4.3,4.1) 11(4.7,-4.1) 12(5.1,4.1) 13(5.5,-4.1) 14(5.9,4.1) 15(6.3,-4.1) 16(6.7,4.1) 17(10.3,-4.1) 18(10.7,4.1) 19(11.1,-4.1) 20(11.5,4.1) 21(11.9,-4.1) 22(12.3,4.1) 23(12.7,-4.1) 24(13.1,4.1) 25(13.5,-4.1) 26(13.9,4.1) 27(14.3,-4.1) 28(14.7,4.1) 29(15.1,-4.1) 30(15.5,4.1) 31(15.9,-4.1) 32(16.3,4.1) 33(16.7,-4.1) 34(17.1,4.1) 35(17.5,-4.1) 36(17.9,4.1) 37(18.3,-4.1) 38(18.7,4.1) 39(19.1,-4.1) 40(19.5,4.1) 41(19.9,-4.1) 42(20.3,4.1) 43(20.7,-4.1) 44(21.1,4.1) 45(21.5,-4.1) 46(21.9,4.1) 47(22.3,-4.1) 48(22.7,4.1) 49(23.1,-4.1) 50(23.5,4.1) 51(23.9,-4.1) 52(24.3,4.1)
  rect 2.3x3.2 smd mask+0.05: 53(-2.15,-3.5) 54(27.15,-3.5)
  rect 5.8x5.8 hole 3.4: 55(0.4,23.9) 56(24.6,23.9)
  round 0 hole 1.6 unplated: 57(0,0)
  round 0 hole 1.1 unplated: 58(25,0)
  Top Layer keep-out region: 27.5,21 27.5,26.8 21.7,26.8 21.7,21
  Top Layer keep-out region: -2.5,21 3.3,21 3.3,26.8 -2.5,26.8
  silkscreen extent -2.45,-3.65 27.45,4.55, body extent -2.45,-4.58 27.45,4.55, height 4
CON_USB-TYPEC_AMPHENOL_12401826E412A [mm] "MCD-03232"
  round 0 hole 0.65 unplated mask+0.05: 0(-3.6,0)
  round 0 hole 0.65 slot 0.95 at 0 deg unplated mask+0.05: 0(3.6,0)
  rect 0.3x0.7 smd mask+0.05: A1(-2.75,0.66) A2(-2.25,0.66) A3(-1.75,0.66) A4(-1.25,0.66) A5(-0.75,0.66) A6(-0.25,0.66) A7(0.25,0.66) A8(0.75,0.66) A9(1.25,0.66) A10(1.75,0.66) A11(2.25,0.66) A12(2.75,0.66) B1(2.5,-1.04) B2(2,-1.04) B3(1.5,-1.04) B4(1,-1.04) B5(0.5,-1.04) B6(0,-1.04) B7(-0.5,-1.04) B8(-1,-1.04) B9(-1.5,-1.04) B10(-2,-1.04) B11(-2.5,-1.04) B12(-3,-1.04)
  oval 0.8x1.4 hole 0.5 slot 1.1 at 90 deg mask+0.05: SH1(-4.13,-1.25) SH2(4.13,-1.25) SH3(-4.49,-4.7) SH4(4.49,-4.7)
  Top Layer keep-out region: -3.75,-7.24 3.75,-7.24 3.75,-1.95 -3.75,-1.95
  silkscreen extent -4.7,-9.59 4.7,0.91, body extent -4.6,-9.59 4.6,0.91, height 3.25
CPOL_TCJ-B_1210_H210 [mm] "MCD-01791"
  rect 1.35x2.8 smd mask+0.05: 1(-1.375,0) 2(1.375,0)
  silkscreen extent -2.33,-1.68 1.85,1.68, body extent -1.85,-1.5 1.85,1.5, height 2.11
CPOL_WURTH_WCAP-ASLL_8X10P5 [mm] "MCD-01683"
  rect 4.2x1.9 smd mask+0.05: 1(3.5,0) 2(-3.5,0)
  silkscreen extent -4.15,-4.15 4.22,4.15, body extent -4.5,-4.15 4.5,4.15, height 10.5
CRY_NX2012SA_2P [mm]
  rect 1x1.25 smd mask+0.05: 1(-0.75,0) 2(0.75,0)
  silkscreen extent -1.05,-0.75 1.05,0.75, body extent -1.05,-0.63 1.05,0.63, height 0.6
CRY_NX2016SA_4P [mm]
  rect 0.85x0.75 smd mask+0.05: 1(-0.675,-0.525) 2(0.675,-0.525) 3(0.675,0.525) 4(-0.675,0.525)
  silkscreen extent -1.22,-1.02 1.05,0.85, body extent -1.05,-0.85 1.05,0.85, height 0.7
CRY_NX3225HA_4P [mm]
  rect 1.4x1.2 smd mask+0.05: 1(-1.1,-0.8) 2(1.1,-0.8) 3(1.1,0.8) 4(-1.1,0.8)
  silkscreen extent -1.9,-1.5 1.65,1.3, body extent -1.66,-1.31 1.66,1.31, height 0.91
CRY_NZ1612SH_4P [mm] "MCD-02343"
  rect 0.6x0.5 smd mask+0.05: 1(-0.55,-0.4) 2(0.55,-0.4) 3(0.55,0.4) 4(-0.55,0.4)
  silkscreen extent -0.97,-0.77 0.85,0.65, body extent -0.85,-0.65 0.85,0.65, height 0.71
DIO_SOD323 [mm]
  rect 1.06x0.54 smd mask+0.05: 1(-1.07,0) 2(1.07,0)
  silkscreen extent -0.9,-0.72 0.9,0.72, body extent -1.3,-0.78 1.3,0.78, height 1.17
DIO_SOD323_1A_2K [mm]
  rect 1.06x0.54 smd mask+0.05: 1(-1.07,0) 2(1.07,0)
  silkscreen extent -0.9,-0.72 0.9,0.72, body extent -1.3,-0.78 1.3,0.78, height 1.17
DIO_SOT23 [mm]
  rect 1x1.4 smd mask+0.05: 1(-0.95,-1.1) 2(0.95,-1.1) 3(0,1.1)
  silkscreen extent -1.63,-0.82 1.63,0.82, body extent -1.56,-1.25 1.56,1.25, height 1.1
ESD_QFN1610_2N_1K_2A [mm] "DFN, 2-Leads, Body 1.60x1.00mm"
  rect 0.55x0.9 smd mask+0.05: 1(-0.625,0) 2(0.625,0)
  silkscreen extent -1.02,-0.58 0.85,0.58, body extent -0.85,-0.55 0.85,0.55, height 0.6
ESD_QFN-6L_1P7X1P5_P050 [mm]
  rect 0.25x0.6 smd mask+0.05: 1(-0.5,-0.65) 2(0,-0.65) 3(0.5,-0.65) 4(0.5,0.65) 5(0,0.65) 6(-0.5,0.65)
  silkscreen extent -0.9,-0.8 0.9,0.8, body extent -0.9,-0.8 0.9,0.8, height 0.56
ESD_SOT23 [mm]
  rect 1x1.4 smd mask+0.05: 1(-0.95,-1.1) 2(0.95,-1.1) 3(0,1.1)
  silkscreen extent -1.63,-0.82 1.63,0.82, body extent -1.56,-1.5 1.56,1.5, height 1.4
ESD_ST0201 [mm]
  rect 0.425x0.33 smd mask+0.05: 1(-0.312,0) 2(0.312,0)
  silkscreen extent -0.55,-0.3 -0.5,0.3, body extent -0.34,-0.18 0.34,0.18, height 0.34
ESD_UQFN-6L_1P45X1P4_P040 [mm] "MCD-03060"
  rect 0.2x0.7 smd mask+0.05: 1(-0.4,-0.525) 2(0,-0.525) 3(0.4,-0.525) 4(0.4,0.525) 5(0,0.525) 6(-0.4,0.525)
  body extent -0.72,-0.7 0.72,0.7, height 0.51
ESD_UQFN-10L_2P5X1_P050 [mm]
  rect 0.2x0.58 smd mask+0.05: 1(-1,-0.41) 2(-0.5,-0.41) 4(0.5,-0.41) 5(1,-0.41) 6(1,0.41) 7(0.5,0.41) 9(-0.5,0.41) 10(-1,0.41)
  rect 0.4x0.58 smd mask+0.05: 3(0,-0.41) 8(0,0.41)
  silkscreen extent -1.38,-0.63 1.38,0.63, body extent -1.3,-0.55 1.3,0.55, height 0.51